# Altium PCB CableNodeRevG.PcbDoc (part 1 of 3) (continued)
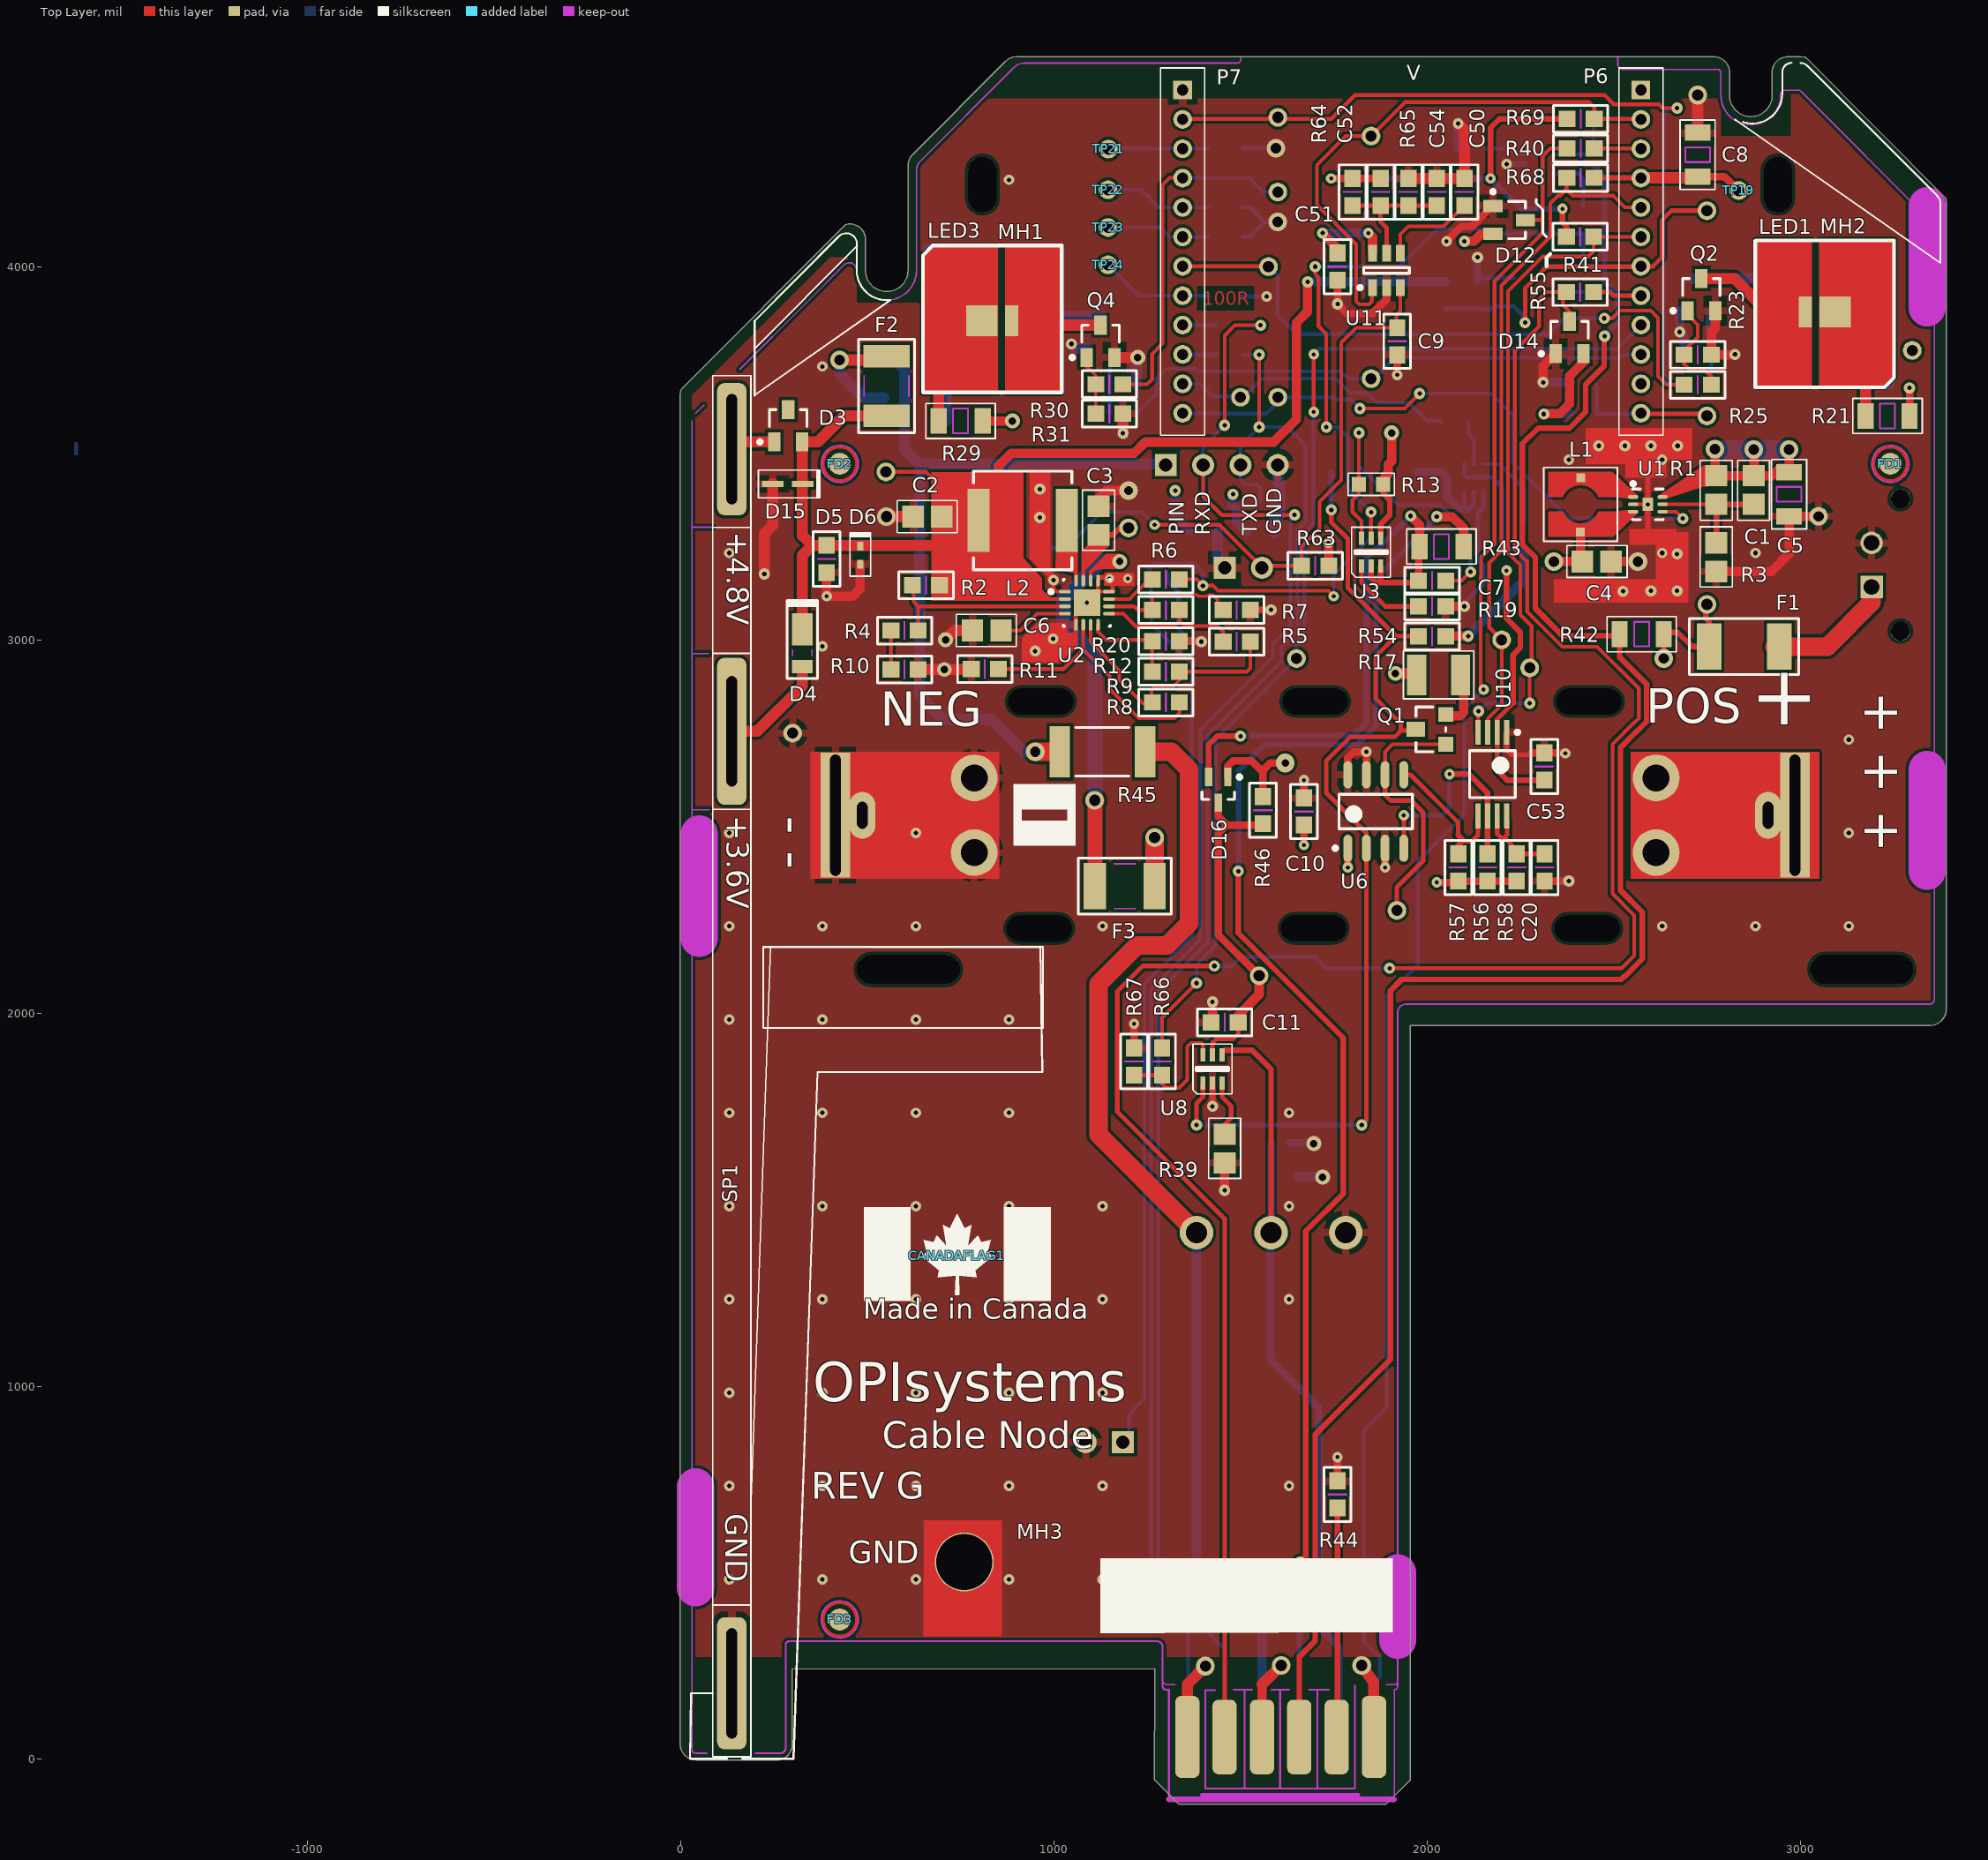
[diagram p0: Top Layer view]
## Part data (continued)
D2 D5 D10: "SUPPRESSOR ESD 24VDC 0603 SMD", Manufacturer="Littelfuse Inc", Package / Case="0603 (1608 Metric)", Power (Watts)=-, Supplier Part Number 1=F3591TR-ND, Voltage - Reverse Standoff (Typ)=24V, Category 1="Circuit Protection", ComponentLink1Description=http://www.littelfuse.com/data/en/Data_Sheets/Littelfuse_PulseGuard-ESD_PGB1.pdf, ComponentLink1URL=http://www.littelfuse.com/data/en/Data_Sheets/Littelfuse_PulseGuard-ESD_PGB1.pdf, Description 1="SUPPRESSOR ESD 24VDC 0603 SMD", Manufacturer Part Number=PGB1010603NR, Mounting Type="Surface Mount", OPI_VID=101020, Packaging="Tape & Reel (TR)", Polarization=Bidirectional, Pricing 1="5000=0.189, 10000=0.176, 25000=0.166 (USD)", RoHS 1="RoHS Compliant", Stock 1=10000, Supplier 1=Digi-Key, Supplier Device Package="0603 (1608 Metric)", Voltage - Breakdown=-
D3 D11 D12 D13 D14: library part BAV99-7-F, "DIODE SW DUAL 75V 350MW SOT23-3", Current - Average Rectified (Io) (per Diode)="300mA (DC)", Current - Reverse Leakage @ Vr="2.5µA @ 75V", Manufacturer="Diodes Inc", Package / Case="TO-236-3, SC-59, SOT-23-3", Supplier Device Package=SOT-23-3, Supplier Part Number 1=BAV99-FDITR-ND, Voltage - DC Reverse (Vr) (Max)=75V, Voltage - Forward (Vf) (Max) @ If="1.25V @ 150mA", Category="Discrete Semiconductor Products", ComponentLink1Description=http://www.diodes.com/datasheets/ds12007.pdf, ComponentLink1URL=http://www.diodes.com/datasheets/ds12007.pdf, Diode Configuration="1 Pair Series Connection", Diode Type=Standard, Manufacturer Part Number=BAV99-7-F, Mounting Type="Surface Mount", OPI_VID=101321, Packaging="Tape & Reel (TR)", Pricing 1="3000=0.02704, 6000=0.02439, 15000=0.02121, 30000=0.01909, 75000=0.01697, 150000=0.0141 (CAD)", Reverse Recovery Time (trr)=4ns, RoHS="RoHS Compliant", Speed="Fast Recovery =< 500ns, > 200mA (Io)", Stock 1=297000, Supplier 1=Digi-Key
D6 D8 D9: "TVS BIDIRECT 50W SOD523", Manufacturer="ON Semiconductor", Package / Case="SC-79, SOD-523", Power (Watts)=50W, Supplier Device Package=SOD-523, Supplier Part Number 1=ESD5B5.0ST1GOSTR-ND, Voltage - Breakdown=5.8V, Voltage - Reverse Standoff (Typ)=5V, Category="Circuit Protection", ComponentLink1Description=http://www.onsemi.com/pub_link/Collateral/ESD5B5.0ST1G.PDF, ComponentLink1URL=http://www.onsemi.com/pub_link/Collateral/ESD5B5.0ST1G.PDF, Manufacturer Part Number=ESD5B5.0ST1G, Mounting Type="Surface Mount", OPI_VID=101019, Packaging="Tape & Reel (TR)", Polarization=Bidirectional, Pricing 1="3000=0.06935, 6000=0.06253, 12000=0.05571, 24000=0.0523, 48000=0.04661, 96000=0.04548 (CAD)", RoHS="RoHS Compliant", Stock 1=240000, Supplier 1=Digi-Key
D15: "DIODE ZENER 5.42V 500MW SOD323F", Current - Reverse Leakage @ Vr="7.5µA @ 2V", Manufacturer="Diodes Inc", Operating Temperature="-65°C ~ 150°C", Package / Case="SC-90, SOD-323F", Power - Max=500mW, Supplier Device Package=SOD-323F, Supplier Part Number 1=DDZ5V6ASF-7DITR-ND, Tolerance=±2%, Voltage - Forward (Vf) (Max) @ If="900mV @ 10mA", Voltage - Zener (Nom) (Vz)=5.42V, Category="Discrete Semiconductor Products", ComponentLink1Description=http://www.diodes.com/datasheets/ds31987.pdf, ComponentLink1URL=http://www.diodes.com/datasheets/ds31987.pdf, Impedance (Max) (Zzt)="80 Ohm", Manufacturer Part Number=DDZ5V6ASF-7, Mounting Type="Surface Mount", OPI_VID=101383, Packaging="Tape & Reel (TR)", Pricing 1="3000=0.02937, 6000=0.02649, 15000=0.02304, 30000=0.02073, 75000=0.01843, 150000=0.01532 (CAD)", RoHS="RoHS Compliant", Stock 1=6000, Supplier 1=Digi-Key
D16: library part SDMG0340LC-7-F, "DIODE SCHOTTKY 40V 30MA SOT323", Current - Average Rectified (Io) (per Diode)="30mA (DC)", Current - Reverse Leakage @ Vr="1µA @ 10V", Manufacturer="Diodes Inc", Package / Case="SC-70, SOT-323", Supplier Device Package=SOT-323, Supplier Part Number 1=SDMG0340LC-FDITR-ND, Voltage - DC Reverse (Vr) (Max)=40V, Voltage - Forward (Vf) (Max) @ If="370mV @ 1mA", Category="Discrete Semiconductor Products", ComponentLink1Description=http://www.diodes.com/datasheets/ds30248.pdf, ComponentLink1URL=http://www.diodes.com/datasheets/ds30248.pdf, Diode Configuration="1 Pair Common Cathode", Diode Type=Schottky, Manufacturer Part Number=SDMG0340LC-7-F, Mounting Type="Surface Mount", OPI_VID=101482, Packaging="Tape & Reel (TR)", Pricing 1="3000=0.08059, 6000=0.07254, 15000=0.06447, 30000=0.06045, 75000=0.05359, 150000=0.05037 (CAD)", Reverse Recovery Time (trr)=-, RoHS="RoHS Compliant", Speed="Small Signal =< 200mA (Io), Any Speed", Stock 1=18000, Supplier 1=Digi-Key
F1: "POLYSWITCH 2.6A RESET FUSE SMD", Current - Hold (Ih) (Max)=2.6A, Current - Max=100A, Current - Trip (It)=5A, Manufacturer="TE Connectivity", Package / Case="1812 (4532 Metric), Concave", Supplier Part Number 1=MINISMDC260FTR-ND, Voltage - Max=6V, Category="Circuit Protection", ComponentLink1Description=http://www.te.com/commerce/DocumentDelivery/DDEController?Action=showdoc&DocId=Catalog+Section%7FSURFACE-MOUNT%7FA1%7Fpdf%7FEnglish%7FENG_CS_SURFACE-MOUNT_A1.pdf, ComponentLink1URL=http://www.te.com/commerce/DocumentDelivery/DDEController?Action=showdoc&DocId=Catalog+Section%7FSURFACE-MOUNT%7FA1%7Fpdf%7FEnglish%7FENG_CS_SURFACE-MOUNT_A1.pdf, Manufacturer Part Number=MINISMDC260F-2, OPI_VID=101385, Packaging="Tape & Reel (TR)", Pricing 1="2000=0.2349, 6000=0.21802, 10000=0.18285, 26000=0.17582, 50000=0.16879 (CAD)", R Min/Max="0.015 ~ 0.043 Ohm", RoHS="RoHS Compliant", Stock 1=6000, Supplier 1=Digi-Key, Time to Trip=7s
F2 F3: "POLYSWITCH .50A RESET FUSE SMD", Current - Hold (Ih) (Max)=500mA, Current - Max=100A, Current - Trip (It)=1A, Manufacturer="TE Connectivity", Package / Case="1812 (4532 Metric), Concave", Supplier Part Number 1=MINISMDC050FTR-ND, Voltage - Max=24V, Category="Circuit Protection", ComponentLink1Description=http://documents.tycoelectronics.com/commerce/DocumentDelivery/DDEController?Action=showdoc&DocId=Specification+Or+Standard%7FSCD25063%7FH%7Fpdf%7FEnglish%7FENG_SS_SCD25063_H.pdf, ComponentLink1URL=http://documents.tycoelectronics.com/commerce/DocumentDelivery/DDEController?Action=showdoc&DocId=Specification+Or+Standard%7FSCD25063%7FH%7Fpdf%7FEnglish%7FENG_SS_SCD25063_H.pdf, Manufacturer Part Number=MINISMDC050F-2, OPI_VID=101164, Packaging="Tape & Reel (TR)", Pricing 1="2000=0.19128, 6000=0.17753, 10000=0.1489, 26000=0.14317, 50000=0.13745 (CAD)", R Min/Max="0.150 ~ 1.000 Ohm", RoHS="RoHS Compliant", Stock 1=166000, Supplier 1=Digi-Key, Time to Trip=0.15s
FD1 FD2 FD3: library part Fiducial, "Fiducial Round"
J1: library part 436500216, "CONN HEADER 2POS 3MM VERT GOLD", Color=Black, Manufacturer="Molex Inc", Supplier Part Number 1=WM1917-ND, Category="Connectors, Interconnects", ComponentLink1Description=http://www.molex.com/pdm_docs/sd/436500215_sd.pdf, ComponentLink1URL=http://www.molex.com/pdm_docs/sd/436500215_sd.pdf, Connector Type="Header, Shrouded", Contact Finish=Tin, Contact Finish Thickness="100µin (2.54µm)", Contact Mating Length=-, Contact Type="Male Pin", Fastening Type="Locking Ramp", Features="Board Guide", Manufacturer Part Number=436500216, Mounting Type="Through Hole", Number of Positions=2, Number of Positions Loaded=All, Number of Rows=1, OPI_VID=101531, Packaging=Tray, Pitch="0.118\" (3.00mm)", Pricing 1="1=0.82, 10=0.766, 50=0.612, 100=0.5866, 250=0.53552, 500=0.51002, 1000=0.42077, 2500=0.38251, 5000=0.36976 (CAD)", RoHS="RoHS Compliant", Row Spacing=-, Stock 1=29740, Supplier 1=Digi-Key, Termination=Press-Fit
L1: library part 744031003, "INDUCTOR POWER 3.6UH 1.38A SMD", Current=1.38A, Current - Saturation=1.1A, Current - Temperature Rise=-, DC Resistance (DCR)="85 mOhm Max", Frequency - Self Resonant=80MHz, Frequency - Test=100kHz, Manufacturer="Wurth Electronics Inc", Operating Temperature="-40°C ~ 125°C", Package / Case="1515 (3838 Metric)", Supplier Part Number 1=732-1007-2-ND, Tolerance=±30%, Category="Inductors, Coils, Chokes", ComponentLink1Description=http://katalog.we-online.de/kataloge/eisos/media/pdf/744031003.pdf, ComponentLink1URL=http://katalog.we-online.de/kataloge/eisos/media/pdf/744031003.pdf, Inductance=3.6µH, Manufacturer Part Number=744031003, Material - Core=Ferrite, Mounting Type="Surface Mount", OPI_VID=101322, Packaging="Tape & Reel (TR)", Pricing 1="1000=0.76734 (CAD)", Q @ Freq=-, RoHS="RoHS Compliant", Shielding=Shielded, Stock 1=0, Supplier 1=Digi-Key, Type="Ferrite Core"
L2: library part SRR0604-220ML, "INDUCTOR PWR 22UH 20% SHIELD SMD", Current=900mA, Current - Saturation=1.2A, Current - Temperature Rise=-, DC Resistance (DCR)="190 mOhm", Frequency - Self Resonant=25MHz, Frequency - Test=1kHz, Manufacturer="Bourns Inc.", Operating Temperature="-40°C ~ 125°C", Package / Case="0.256\" L x 0.256\" W x 0.189\" H (6.50mm x 6.50mm x 4.80mm)", Q @ Freq="16 @ 2.52MHz", Supplier Part Number 1=SRR0604-220MLTR-ND, Tolerance=±20%, Category="Inductors, Coils, Chokes", ComponentLink1Description=http://www.bourns.com/data/global/pdfs/SRR0604.pdf, ComponentLink1URL=http://www.bourns.com/data/global/pdfs/SRR0604.pdf, Inductance=22µH, Manufacturer Part Number=SRR0604-220ML, Material - Core=Ferrite, Mounting Type="Surface Mount", OPI_VID=101323, Packaging="Tape & Reel (TR)", Pricing 1="1000=0.37682, 5000=0.36426, 10000=0.3517, 25000=0.33914 (CAD)", RoHS="RoHS Compliant", Shielding=Shielded, Stock 1=0, Supplier 1=Digi-Key, Type="Ferrite Core"
LED1 LED4: "LED", Manufacturer=OSRAM, Manufacturer Part Number="GH JTLPS1.24-K5L2-1-1-150-R33", Supplier Part Number 1=720-GHJTLPS124A1048, Height=0.8mm, Supplier 1=Mouser
LED2 LED3: "LED", Manufacturer=OSRAM, Manufacturer Part Number=GDJTLPS1.14-MFN8-25-1-150-R33, Supplier Part Number 1=720-GDJTLPS114A1051, Height=0.8mm, Supplier 1=Mouser
MH1 MH2 MH3: "PCB Mounting Hole, 0.150\" hole, 0.270\" Keepout"
P1: library part M20-9960245, "SIL HORIZ PC TAIL PIN HEADER", Color=Black, Manufacturer="Harwin Inc", Supplier Part Number 1=952-2244-ND, Category="Connectors, Interconnects", ComponentLink1Description=http://www.harwin.com/include/downloads/drawings/M20-996.PDF, ComponentLink1URL=http://www.harwin.com/include/downloads/drawings/M20-996.PDF, Connector Type="Header, Unshrouded, Breakaway", Contact Finish=Gold, Contact Finish Thickness=-, Contact Mating Length="0.240\" (6.10mm)", Contact Type="Male Pin", Fastening Type=-, Features=-, Manufacturer Part Number=M20-9960245, Mounting Type="Through Hole, Right Angle", Number of Positions=2, Number of Positions Loaded=All, Number of Rows=1, OPI_VID=101483, Packaging=Bulk, Pitch="0.100\" (2.54mm)", Pricing 1="1=0.31, 10=0.18, 25=0.1288, 50=0.0978, 100=0.0798, 250=0.06692, 500=0.06178, 1000=0.05406, 2500=0.04119 (CAD)", RoHS="RoHS Compliant", Row Spacing=-, Stock 1=1174, Supplier 1=Digi-Key, Termination=Solder
P2: library part "Header 4", "Header, 4-Pin", Manufacturer=3M, Manufacturer Part Number=2340-6111TG, LatestRevisionDate=17-Jul-2002, LatestRevisionNote="Re-released for DXP Platform.", OPI_VID=100210, Publisher="Altium Limited"
P3: library part "Header 2", "Header, 2-Pin", Manufacturer=3M, Manufacturer Part Number=2340-6111TG, LatestRevisionDate=17-Jul-2002, LatestRevisionNote="Re-released for DXP Platform.", OPI_VID=100210, Publisher="Altium Limited"
P4: "CONN EDGECARD 6POS .100 FINGERS", Contact Finish=Gold, Contact Finish Thickness="30µin (0.76µm)", Gender=Male, Number of Positions=12, Number of Rows=2, Pitch="0.100\" (2.54mm)"
P5: "CONN HEADER RT ANG 3POS 5.08MM", Color=Green, Current=10A, Manufacturer="Phoenix Contact", Supplier Part Number 1=277-1096-ND, Voltage=300V, Category="Connectors, Interconnects", ComponentLink1Description=http://media.digikey.com/pdf/Data%20Sheets/Phoenix%20Contact%20PDFs/1759020.pdf, ComponentLink1URL=http://media.digikey.com/pdf/Data%20Sheets/Phoenix%20Contact%20PDFs/1759020.pdf, Features=-, Header Orientation="90°, Right Angle", Manufacturer Part Number=1759020, Mounting Type="Through Hole", Number of Levels=1, OPI_VID=101377, Packaging=Bulk, Pitch="0.200\" (5.08mm)", Plug Wire Entry=-, Positions Per Level=3, Pricing 1="1=0.85, 10=0.826, 50=0.7716, 100=0.7098, 250=0.65576, 500=0.62494, 1000=0.58636 (CAD)", RoHS="RoHS Compliant", Stock 1=4474, Supplier 1=Digi-Key, Terminal Block Type="Header, Male Pins, Shrouded (2 Side)", Termination=Solder, Wire Gauge=-
P6 P7: "CONN SOCKET 12POS 2MM VERT T/H", Color=Black, Manufacturer=3M, Manufacturer Part Number=950512-6102-AR, Supplier Part Number 1=3M9406-ND, Category 1="Connectors, Interconnects", ComponentLink1Description=http://multimedia.3m.com/mws/mediawebserver?66666UuZjcFSLXTtmXMEm8TaEVuQEcuZgVs6EVs6E666666--, ComponentLink1URL=http://multimedia.3m.com/mws/mediawebserver?66666UuZjcFSLXTtmXMEm8TaEVuQEcuZgVs6EVs6E666666--, Connector Type=Receptacle, Contact Finish=Gold, Contact Finish Thickness=Flash, Contact Type="Female Socket", Description 1="CONN SOCKET 12POS 2MM VERT T/H", Fastening Type=-, Features=-, Mounting Type="Through Hole", Number of Positions=12, Number of Positions Loaded=All, Number of Rows=1, OPI_VID=101515, Packaging=Tube, Pitch="0.079\" (2.00mm)", Pricing 1="1=2.31, 25=1.9756, 50=1.8896, 100=1.8037, 250=1.63196, 500=1.50312, 1000=1.28839, 2500=1.2025, 5000=1.14237 (CAD)", RoHS 1="RoHS Compliant", Row Spacing=-, Stock 1=2590, Supplier 1=Digi-Key, Termination=Solder
Q1: library part SI2301BDS-T1-E3, "MOSFET P-CH 20V 2.2A SOT23-3", Current - Continuous Drain (Id) @ 25° C=2.2A, Drain to Source Voltage (Vdss)=20V, Input Capacitance (Ciss) @ Vds="375pF @ 6V", Manufacturer=Vishay/Siliconix, Package / Case="TO-236-3, SC-59, SOT-23-3", Power - Max=700mW, Supplier Device Package="SOT-23-3 (TO-236)", Supplier Part Number 1=SI2301BDS-T1-E3TR-ND, Category="Discrete Semiconductor Products", ComponentLink1Description=http://www.vishay.com/doc?72066, ComponentLink1URL=http://www.vishay.com/doc?72066, FET Feature="Logic Level Gate", FET Type="MOSFET P-Channel, Metal Oxide", Gate Charge (Qg) @ Vgs="10nC @ 4.5V", Manufacturer Part Number=SI2301BDS-T1-E3, Mounting Type="Surface Mount", OPI_VID=100638, Packaging="Tape & Reel (TR)", Pricing 1="3000=0.18924, 6000=0.17754, 12000=0.16479, 27000=0.15628, 51000=0.15309 (CAD)", Rds On (Max) @ Id, Vgs="100 mOhm @ 2.8A, 4.5V", RoHS="RoHS Compliant", Stock 1=27000, Supplier 1=Digi-Key, Vgs(th) (Max) @ Id="950mV @ 250µA"
Q2 Q3 Q4 Q5: library part SI2302CDS-T1-GE3, "MOSFET N-CH 20V 2.6A SOT23-3", Current - Continuous Drain (Id) @ 25° C=2.6A, Drain to Source Voltage (Vdss)=20V, Input Capacitance (Ciss) @ Vds=-, Manufacturer="Vishay Siliconix", Package / Case="TO-236-3, SC-59, SOT-23-3", Power - Max=710mW, Supplier Device Package="SOT-23-3 (TO-236)", Supplier Part Number 1=SI2302CDS-T1-GE3TR-ND, Category="Discrete Semiconductor Products", ComponentLink1Description=http://www.vishay.com/docs/68645/si2302cd.pdf, ComponentLink1URL=http://www.vishay.com/docs/68645/si2302cd.pdf, FET Feature="Logic Level Gate", FET Type="MOSFET N-Channel, Metal Oxide", Gate Charge (Qg) @ Vgs="5.5nC @ 4.5V", Manufacturer Part Number=SI2302CDS-T1-GE3, Mounting Type="Surface Mount", OPI_VID=101327, Packaging="Tape & Reel (TR)", Pricing 1="3000=0.18079, 6000=0.16912, 15000=0.15746, 30000=0.14871, 75000=0.1458, 150000=0.13996 (CAD)", Rds On (Max) @ Id, Vgs="57 mOhm @ 3.6A, 4.5V", RoHS="RoHS Compliant", Stock 1=27000, Supplier 1=Digi-Key, Vgs(th) (Max) @ Id="850mV @ 250µA"
Q6: "IC SWITCH P-CHANNEL SOT-23", Current - Drain (Idss) @ Vds (Vgs="0)=2mA @ 15V", Current Drain (Id) - Max=-, Manufacturer="Fairchild Semiconductor", Package / Case="TO-236-3, SC-59, SOT-23-3", Power - Max=225mW, Supplier Device Package="SOT-23-3 (TO-236)", Supplier Part Number 1=MMBFJ270TR-ND, Voltage - Breakdown (V(BR)GSS)=30V, Voltage - Cutoff (VGS off) @ Id="500mV @ 1nA", Category="Discrete Semiconductor Products", ComponentLink1Description=http://www.fairchildsemi.com/ds/MM/MMBFJ270.pdf, ComponentLink1URL=http://www.fairchildsemi.com/ds/MM/MMBFJ270.pdf, Drain to Source Voltage (Vdss)=-, FET Type=P-Channel, Input Capacitance (Ciss) @ Vds=-, Manufacturer Part Number=MMBFJ270, Mounting Type="Surface Mount", OPI_VID=101484, Packaging="Tape & Reel (TR)", Pricing 1="3000=0.14055, 6000=0.13203, 15000=0.12352, 30000=0.11329, 75000=0.10903, 150000=0.10477 (CAD)", Resistance - RDS(On)=-, RoHS="RoHS Compliant", Stock 1=15000, Supplier 1=Digi-Key
R1: library part CRCW08053M24FKEA, "RES 3.24M OHM 1/8W 1% 0805 SMD", Manufacturer="Vishay Dale", Package / Case="0805 (2012 Metric)", Power (Watts)="0.125W, 1/8W", Supplier Part Number 1=541-3.24MCTR-ND, Temperature Coefficient=±100ppm/°C, Tolerance=±1%, Category=Resistors, ComponentLink1Description=http://www.vishay.com/doc?20035, ComponentLink1URL=http://www.vishay.com/doc?20035, Composition="Thick Film", Features=-, Height="0.020\" (0.50mm)", Manufacturer Part Number=CRCW08053M24FKEA, Number of Terminations=2, OPI_VID=101328, Packaging="Tape & Reel (TR)", Pricing 1="5000=0.00914, 10000=0.00799, 25000=0.00685, 50000=0.00571, 100000=0.00457, 250000=0.00457, 500000=0.00343 (CAD)", Resistance (Ohms)=3.24M, RoHS="RoHS Compliant", Size / Dimension="0.079\" L x 0.049\" W (2.00mm x 1.25mm)", Stock 1=5000, Supplier 1=Digi-Key
R2 R6 R9: library part CRCW06033M83FKEA, "RES 3.83M OHM 1/10W 1% 0603 SMD", Manufacturer="Vishay Dale", Package / Case="0603 (1608 Metric)", Power (Watts)="0.1W, 1/10W", Supplier Part Number 1=541-3.83MHTR-ND, Temperature Coefficient=±100ppm/°C, Tolerance=±1%, Category=Resistors, ComponentLink1Description=http://www.vishay.com/doc?20035, ComponentLink1URL=http://www.vishay.com/doc?20035, Composition="Thick Film", Features="Automotive AEC-Q200 Qualified", Height="0.020\" (0.50mm)", Manufacturer Part Number=CRCW06033M83FKEA, Number of Terminations=2, OPI_VID=101329, Packaging="Tape & Reel (TR)", Pricing 1="5000=0.00644, 10000=0.00579, 25000=0.00515, 50000=0.00429, 100000=0.00356, 250000=0.00322, 500000=0.0029 (CAD)", Resistance (Ohms)=3.83M, RoHS="RoHS Compliant", Size / Dimension="0.061\" L x 0.033\" W (1.55mm x 0.85mm)", Stock 1=10000, Supplier 1=Digi-Key
R3: library part CRCW08051M02FKEA, "RES 1.02M OHM 1/8W 1% 0805 SMD", Manufacturer="Vishay Dale", Package / Case="0805 (2012 Metric)", Power (Watts)="0.125W, 1/8W", Supplier Part Number 1=541-1.02MCTR-ND, Temperature Coefficient=±100ppm/°C, Tolerance=±1%, Category=Resistors, ComponentLink1Description=http://www.vishay.com/doc?20035, ComponentLink1URL=http://www.vishay.com/doc?20035, Composition="Thick Film", Features=-, Height="0.020\" (0.50mm)", Manufacturer Part Number=CRCW08051M02FKEA, Number of Terminations=2, OPI_VID=101330, Packaging="Tape & Reel (TR)", Pricing 1="5000=0.00914, 10000=0.00799, 25000=0.00685, 50000=0.00571, 100000=0.00457, 250000=0.00457, 500000=0.00343 (CAD)", Resistance (Ohms)=1.02M, RoHS="RoHS Compliant", Size / Dimension="0.079\" L x 0.049\" W (2.00mm x 1.25mm)", Stock 1=20000, Supplier 1=Digi-Key
R4 R10: library part CRCW06037M50FKEA, "RES 7.50M OHM 1/10W 1% 0603 SMD", Manufacturer="Vishay Dale", Package / Case="0603 (1608 Metric)", Power (Watts)="0.1W, 1/10W", Supplier Part Number 1=541-7.50MHTR-ND, Temperature Coefficient=±100ppm/°C, Tolerance=±1%, Category=Resistors, ComponentLink1Description=http://www.vishay.com/doc?20035, ComponentLink1URL=http://www.vishay.com/doc?20035, Composition="Thick Film", Features="Automotive AEC-Q200 Qualified", Height="0.020\" (0.50mm)", Manufacturer Part Number=CRCW06037M50FKEA, Number of Terminations=2, OPI_VID=101331, Packaging="Tape & Reel (TR)", Pricing 1="5000=0.00644, 10000=0.00579, 25000=0.00515, 50000=0.00429, 100000=0.00356, 250000=0.00322, 500000=0.0029 (CAD)", Resistance (Ohms)=7.5M, RoHS="RoHS Compliant", Size / Dimension="0.061\" L x 0.033\" W (1.55mm x 0.85mm)", Stock 1=10000, Supplier 1=Digi-Key
R5: library part CRCW06032M00FKEA, "RES 2.00M OHM 1/10W 1% 0603 SMD", Manufacturer="Vishay Dale", Package / Case="0603 (1608 Metric)", Power (Watts)="0.1W, 1/10W", Resistance (Ohms)=2M, Supplier Part Number 1=541-2.00MHCT-ND, Temperature Coefficient=±100ppm/°C, Tolerance=±1%, Category=Resistors, ComponentLink1Description=http://www.vishay.com/doc?20035, ComponentLink1URL=http://www.vishay.com/doc?20035, Composition="Thick Film", Features="Automotive AEC-Q200 Qualified", Height="0.020\" (0.50mm)", Manufacturer Part Number=CRCW06032M00FKEA, Number of Terminations=2, OPI_VID=101448, Packaging="Cut Tape (CT)", Pricing 1="10=0.096, 50=0.0516, 200=0.02965, 1000=0.02023 (CAD)", RoHS="RoHS Compliant", Size / Dimension="0.061\" L x 0.033\" W (1.55mm x 0.85mm)", Stock 1=12600, Supplier 1=Digi-Key, Supplier Device Package="0603 (1608 Metric)"
R7: library part CRCW06034M22FKEA, "RES 4.22M OHM 1/10W 1% 0603 SMD", Manufacturer="Vishay Dale", Package / Case="0603 (1608 Metric)", Power (Watts)="0.1W, 1/10W", Resistance (Ohms)=4.22M, Supplier Part Number 1=541-4.22MHTR-ND, Temperature Coefficient=±100ppm/°C, Tolerance=±1%, Category=Resistors, ComponentLink1Description=http://www.vishay.com/doc?20035, ComponentLink1URL=http://www.vishay.com/doc?20035, Composition="Thick Film", Features="Automotive AEC-Q200 Qualified", Height="0.020\" (0.50mm)", Manufacturer Part Number=CRCW06034M22FKEA, Number of Terminations=2, OPI_VID=101450, Packaging="Tape & Reel (TR)", Pricing 1="5000=0.00674, 10000=0.00607, 25000=0.00539, 50000=0.00449, 100000=0.00373, 250000=0.00337, 500000=0.00303 (CAD)", RoHS="RoHS Compliant", Size / Dimension="0.061\" L x 0.033\" W (1.55mm x 0.85mm)", Stock 1=10000, Supplier 1=Digi-Key, Supplier Device Package="0603 (1608 Metric)"
R8: library part CRCW06034M75FKEA, "RES 4.75M OHM 1/10W 1% 0603 SMD", Manufacturer="Vishay Dale", Package / Case="0603 (1609 Metric)", Power (Watts)="0.1W, 1/10W", Supplier Part Number 1=541-4.75MHTR-ND, Temperature Coefficient=±100ppm/°C, Tolerance=±1%, Category=Resistors, ComponentLink1Description=http://www.vishay.com/doc?20035, ComponentLink1URL=http://www.vishay.com/doc?20035, Composition="Thick Film", Features="Automotive AEC-Q200 Qualified", Height="0.020\" (0.50mm)", Manufacturer Part Number=CRCW06034M75FKEA, Number of Terminations=2, OPI_VID=101333, Packaging="Tape & Reel (TR)", Pricing 1="5000=0.00644, 10000=0.00579, 25000=0.00515, 50000=0.00429, 100000=0.00356, 250000=0.00322, 500000=0.0029 (CAD)", Resistance (Ohms)=4.75M, RoHS="RoHS Compliant", Size / Dimension="0.061\" L x 0.033\" W (1.55mm x 0.85mm)", Stock 1=30000, Supplier 1=Digi-Key
R11: library part CRCW06034M99FKEA, "RES 4.99M OHM 1/10W 1% 0603 SMD", Manufacturer="Vishay Dale", Package / Case="0603 (1608 Metric)", Power (Watts)="0.1W, 1/10W", Resistance (Ohms)=4.99M, Supplier Part Number 1=541-4.99MHTR-ND, Temperature Coefficient=±100ppm/°C, Tolerance=±1%, Category=Resistors, ComponentLink1Description=http://www.vishay.com/doc?20035, ComponentLink1URL=http://www.vishay.com/doc?20035, Composition="Thick Film", Features="Automotive AEC-Q200 Qualified", Height="0.020\" (0.50mm)", Manufacturer Part Number=CRCW06034M99FKEA, Number of Terminations=2, OPI_VID=101381, Packaging="Tape & Reel (TR)", Pricing 1="5000=0.00652, 10000=0.00587, 25000=0.00521, 50000=0.00434, 100000=0.00361, 250000=0.00326, 500000=0.00293 (CAD)", RoHS="RoHS Compliant", Size / Dimension="0.061\" L x 0.033\" W (1.55mm x 0.85mm)", Stock 1=20000, Supplier 1=Digi-Key, Supplier Device Package="0603 (1608 Metric)"
R12: library part "CRCW06035M36FKEA (2)", "RES 5.36M OHM 1/10W 1% 0603 SMD", Manufacturer="Vishay Dale", Manufacturer Part Number=CRCW06035M36FKEA, Package / Case="0603 (1609 Metric)", Power (Watts)="0.1W, 1/10W", Supplier Part Number 1=541-5.36MHTR-ND, Temperature Coefficient=±100ppm/°C, Tolerance=±1%, Category=Resistors, ComponentLink1Description=http://www.vishay.com/doc?20035, ComponentLink1URL=http://www.vishay.com/doc?20035, Composition="Thick Film", Features="Automotive AEC-Q200 Qualified", Height="0.020\" (0.50mm)", Number of Terminations=2, OPI_VID=101334, Packaging="Tape & Reel (TR)", Pricing 1="5000=0.00644, 10000=0.00579, 25000=0.00515, 50000=0.00429, 100000=0.00356, 250000=0.00322, 500000=0.0029 (CAD)", Resistance (Ohms)=5.36M, RoHS="RoHS Compliant", Size / Dimension="0.061\" L x 0.033\" W (1.55mm x 0.85mm)", Stock 1=5000, Supplier 1=Digi-Key
R13: library part ERJ-3GEYJ105V, "RES 1.0M OHM 1/10W 5% 0603 SMD", Manufacturer="Panasonic - ECG", Package / Case="0603 (1608 Metric)", Power (Watts)="0.1W, 1/10W", Resistance (Ohms)=1M, Supplier Part Number 1=P1.0MGDKR-ND, Temperature Coefficient=±200ppm/°C, Tolerance=±5%, Category 1=Resistors, ComponentLink1Description=http://industrial.panasonic.com/www-cgi/jvcr13pz.cgi?E+PZ+3+AOA0001+ERJ3GEYJ105V+7+WW, ComponentLink1URL=http://industrial.panasonic.com/www-cgi/jvcr13pz.cgi?E+PZ+3+AOA0001+ERJ3GEYJ105V+7+WW, Composition="Thick Film", Description 1="RES 1.0M OHM 1/10W 5% 0603 SMD", Features=-, Height="0.018\" (0.45mm)", Manufacturer Part Number=ERJ-3GEYJ105V, Number of Terminations=2, OPI_VID=101039, Packaging=Digi-Reel®, Pricing 1="1=0.03, 50=0.0104, 100=0.0079, 250=0.00584, 500=0.00432, 1000=0.00288 (USD)", RoHS 1="RoHS Compliant", Size / Dimension="0.063\" L x 0.031\" W (1.60mm x 0.80mm)", Stock 1=2202551, Supplier 1=Digi-Key
R15: library part ERJ-3EKF27R0V, "RES 27.0 OHM 1/10W 1% 0603 SMD", Manufacturer="Panasonic Electronic Components", Package / Case="0603 (1608 Metric)", Power (Watts)="0.1W, 1/10W", Resistance (Ohms)=27, Supplier Part Number 1=P27.0HTR-ND, Temperature Coefficient=±100ppm/°C, Tolerance=±1%, Category=Resistors, ComponentLink1Description=http://industrial.panasonic.com/www-cgi/jvcr13pz.cgi?E+PZ+3+AOA0002+ERJ3EKF27R0V+7+WW, ComponentLink1URL=http://industrial.panasonic.com/www-cgi/jvcr13pz.cgi?E+PZ+3+AOA0002+ERJ3EKF27R0V+7+WW, Composition="Thick Film", Features=-, Height="0.022\" (0.55mm)", Manufacturer Part Number=ERJ-3EKF27R0V, Number of Terminations=2, OPI_VID=101337, Packaging="Tape & Reel (TR)", Pricing 1="5000=0.0026, 10000=0.00226, 25000=0.00199, 50000=0.00182, 125000=0.00179 (CAD)", RoHS="RoHS Compliant", Size / Dimension="0.063\" L x 0.031\" W (1.60mm x 0.80mm)", Stock 1=230000, Supplier 1=Digi-Key
R16 R20 R23 R24 R31 R34 R44 R50 R51 R52 R53 R63 R69: library part ERJ-3GEYJ103V, "RES 10K OHM 1/10W 5% 0603 SMD", Manufacturer="Panasonic Electronic Components", Package / Case="0603 (1608 Metric)", Power (Watts)="0.1W, 1/10W", Resistance (Ohms)=10k, Supplier Part Number 1=P10KGTR-ND, Temperature Coefficient=±200ppm/°C, Tolerance=±5%, Category=Resistors, ComponentLink1Description=http://industrial.panasonic.com/www-cgi/jvcr13pz.cgi?E+PZ+3+AOA0001+ERJ3GEYJ103V+7+WW, ComponentLink1URL=http://industrial.panasonic.com/www-cgi/jvcr13pz.cgi?E+PZ+3+AOA0001+ERJ3GEYJ103V+7+WW, Composition="Thick Film", Features=-, Height="0.022\" (0.55mm)", Manufacturer Part Number=ERJ-3GEYJ103V, Number of Terminations=2, OPI_VID=101044, Packaging="Tape & Reel (TR)", Pricing 1="5000=0.00174, 10000=0.00151, 25000=0.00132, 50000=0.00122, 125000=0.00119 (CAD)", RoHS="RoHS Compliant", Size / Dimension="0.063\" L x 0.031\" W (1.60mm x 0.80mm)", Stock 1=13440000, Supplier 1=Digi-Key
R17: library part ERJ-14NF51R1U, "RES 51.1 OHM 1/2W 1% 1210 SMD", Manufacturer="Panasonic Electronic Components", Package / Case="1210 (3225 Metric)", Power (Watts)="0.5W, 1/2W", Resistance (Ohms)=51.1, Supplier Device Package=1210, Supplier Part Number 1=P51.1AATR-ND, Temperature Coefficient=±100ppm/°C, Tolerance=±1%, Category=Resistors, ComponentLink1Description=http://industrial.panasonic.com/www-cgi/jvcr13pz.cgi?E+PZ+3+AOA0002+ERJ14NF51R1U+7+WW, ComponentLink1URL=http://industrial.panasonic.com/www-cgi/jvcr13pz.cgi?E+PZ+3+AOA0002+ERJ14NF51R1U+7+WW, Composition="Thick Film", Features=-, Height="0.028\" (0.70mm)", Manufacturer Part Number=ERJ-14NF51R1U, Number of Terminations=2, OPI_VID=101382, Packaging="Tape & Reel (TR)", Pricing 1="5000=0.03979, 10000=0.03714, 25000=0.03528, 50000=0.03456, 125000=0.03382 (CAD)", RoHS="RoHS Compliant", Size / Dimension="0.126\" L x 0.098\" W (3.20mm x 2.50mm)", Stock 1=20000, Supplier 1=Digi-Key
R18: library part RMCF2512JT24R0, "RES 24 OHM 1W 5% 2512 SMD", Manufacturer="TTI Inc.", Manufacturer Part Number=CRCW251224R0JNEG, Package / Case="2512 (6432 Metric)", Power (Watts)=1W, Resistance (Ohms)=24, Supplier Device Package=2512, Supplier Part Number 1=RMCF2512JT24R0TR-ND, Temperature Coefficient=±200ppm/°C, Tolerance=±5%, Category=Resistors, ComponentLink1Description=http://www.seielect.com/Catalog/SEI-RMCF_RMCP.pdf, ComponentLink1URL=http://www.seielect.com/Catalog/SEI-RMCF_RMCP.pdf, Composition="Thick Film", Features=-, Height="0.028\" (0.70mm)", Number of Terminations=2, OPI_VID=101380, Packaging="Tape & Reel (TR)", Pricing 1="4000=0.03773, 8000=0.0343, 12000=0.03201, 28000=0.03041, 100000=0.02916 (CAD)", RoHS="RoHS Compliant", Size / Dimension="0.248\" L x 0.126\" W (6.30mm x 3.20mm)", Stock 1=20000, Supplier 1=Digi-Key
R19 R67: library part ERJ-3GEYJ104V, "RES 100K OHM 1/10W 5% 0603 SMD", Manufacturer="Panasonic Electronic Components", Package / Case="0603 (1608 Metric)", Power (Watts)="0.1W, 1/10W", Resistance (Ohms)=100k, Supplier Part Number 1=P100KGTR-ND, Temperature Coefficient=±200ppm/°C, Tolerance=±5%, Category=Resistors, ComponentLink1Description=http://industrial.panasonic.com/www-cgi/jvcr13pz.cgi?E+PZ+3+AOA0001+ERJ3GEYJ104V+7+WW, ComponentLink1URL=http://industrial.panasonic.com/www-cgi/jvcr13pz.cgi?E+PZ+3+AOA0001+ERJ3GEYJ104V+7+WW, Composition="Thick Film", Features=-, Height="0.022\" (0.55mm)", Manufacturer Part Number=ERJ-3GEYJ104V, Number of Terminations=2, OPI_VID=101335, Packaging="Tape & Reel (TR)", Pricing 1="5000=0.00172, 10000=0.00149, 25000=0.00131, 50000=0.0012, 125000=0.00118 (CAD)", RoHS="RoHS Compliant", Size / Dimension="0.063\" L x 0.031\" W (1.60mm x 0.80mm)", Stock 1=3755000, Supplier 1=Digi-Key
R21 R32: library part RC1206FR-0722RL, "RES 22.0 OHM 1/4W 1% 1206 SMD", Manufacturer=Yageo, Package / Case="1206 (3216 Metric)", Power (Watts)="0.25W, 1/4W", Resistance (Ohms)=22, Supplier Part Number 1=311-22.0FRTR-ND, Temperature Coefficient=±100ppm/°C, Tolerance=±1%, Category=Resistors, ComponentLink1Description=http://www.yageo.com/documents/recent/PYu-RC1206_51_RoHS_L_4.pdf, ComponentLink1URL=http://www.yageo.com/documents/recent/PYu-RC1206_51_RoHS_L_4.pdf, Composition="Thick Film", Features=-, Height="0.026\" (0.65mm)", Manufacturer Part Number=RC1206FR-0722RL, Number of Terminations=2, OPI_VID=101340, Packaging="Tape & Reel (TR)", Pricing 1="5000=0.00427, 10000=0.00371, 25000=0.00326, 50000=0.00299, 125000=0.00293 (CAD)", RoHS="RoHS Compliant", Size / Dimension="0.122\" L x 0.063\" W (3.10mm x 1.60mm)", Stock 1=45000, Supplier 1=Digi-Key
R22 R29 R42 R43: library part RC1206FR-0712RL, "RES 12.0 OHM 1/4W 1% 1206 SMD", Manufacturer=Yageo, Package / Case="1206 (3216 Metric)", Power (Watts)="0.25W, 1/4W", Resistance (Ohms)=12, Supplier Part Number 1=311-12.0FRTR-ND, Temperature Coefficient=±100ppm/°C, Tolerance=±1%, Category=Resistors, ComponentLink1Description=http://www.yageo.com/documents/recent/PYu-RC1206_51_RoHS_L_4.pdf, ComponentLink1URL=http://www.yageo.com/documents/recent/PYu-RC1206_51_RoHS_L_4.pdf, Composition="Thick Film", Features=-, Height="0.026\" (0.65mm)", Manufacturer Part Number=RC1206FR-0712RL, Number of Terminations=2, OPI_VID=101341, Packaging="Tape & Reel (TR)", Pricing 1="5000=0.00427, 10000=0.00371, 25000=0.00326, 50000=0.00299, 125000=0.00293 (CAD)", RoHS="RoHS Compliant", Size / Dimension="0.122\" L x 0.063\" W (3.10mm x 1.60mm)", Stock 1=20000, Supplier 1=Digi-Key
R25 R26 R30 R33 R62: library part ERJ-3GEYJ102V, "RES 1.0K OHM 1/10W 5% 0603 SMD", Manufacturer="Panasonic Electronic Components", Package / Case="0603 (1608 Metric)", Power (Watts)="0.1W, 1/10W", Resistance (Ohms)=1k, Supplier Part Number 1=P1.0KGTR-ND, Temperature Coefficient=±200ppm/°C, Tolerance=±5%, Category=Resistors, ComponentLink1Description=http://industrial.panasonic.com/www-cgi/jvcr13pz.cgi?E+PZ+3+AOA0001+ERJ3GEYJ102V+7+WW, ComponentLink1URL=http://industrial.panasonic.com/www-cgi/jvcr13pz.cgi?E+PZ+3+AOA0001+ERJ3GEYJ102V+7+WW, Composition="Thick Film", Features=-, Height="0.022\" (0.55mm)", Manufacturer Part Number=ERJ-3GEYJ102V, Number of Terminations=2, OPI_VID=101077, Packaging="Tape & Reel (TR)", Pricing 1="5000=0.00172, 10000=0.00149, 25000=0.00131, 50000=0.0012, 125000=0.00118 (CAD)", RoHS="RoHS Compliant", Size / Dimension="0.063\" L x 0.031\" W (1.60mm x 0.80mm)", Stock 1=14380000, Supplier 1=Digi-Key
R27 R28 R40 R41 R47 R60 R66: library part ERJ-3GEYJ101V, "RES 100 OHM 1/10W 5% 0603 SMD", Manufacturer="Panasonic Electronic Components", Package / Case="0603 (1608 Metric)", Power (Watts)="0.1W, 1/10W", Resistance (Ohms)=100, Supplier Device Package=0603, Supplier Part Number 1=P100GCT-ND, Temperature Coefficient=±200ppm/°C, Tolerance=±5%, Category 1=Resistors, ComponentLink1Description=http://industrial.panasonic.com/www-cgi/jvcr13pz.cgi?E+PZ+3+AOA0001+ERJ3GEYJ101V+7+WW, ComponentLink1URL=http://industrial.panasonic.com/www-cgi/jvcr13pz.cgi?E+PZ+3+AOA0001+ERJ3GEYJ101V+7+WW, Composition="Thick Film", Description 1="RES 100 OHM 1/10W 5% 0603 SMD", Features=-, Height="0.022\" (0.55mm)", Manufacturer Part Number=ERJ-3GEYJ101V, Number of Terminations=2, OPI_VID=101402, Packaging="Cut Tape (CT)", Pricing 1="1=0.13, 50=0.016, 100=0.0122, 250=0.00908, 500=0.0067, 1000=0.00447, 2500=0.00378 (CAD)", RoHS 1="RoHS Compliant", Size / Dimension="0.063\" L x 0.031\" W (1.60mm x 0.80mm)", Stock 1=1062394, Supplier 1=Digi-Key
R35 R36: library part ERJ-3EKF1004V, "RES 1.00M OHM 1/10W 1% 0603 SMD", Manufacturer="Panasonic Electronic Components", Package / Case="0603 (1608 Metric)", Power (Watts)="0.1W, 1/10W", Resistance (Ohms)=1M, Supplier Part Number 1=P1.00MHTR-ND, Temperature Coefficient=±100ppm/°C, Tolerance=±1%, Category=Resistors, ComponentLink1Description=http://industrial.panasonic.com/www-cgi/jvcr13pz.cgi?E+PZ+3+AOA0002+ERJ3EKF1004V+7+WW, ComponentLink1URL=http://industrial.panasonic.com/www-cgi/jvcr13pz.cgi?E+PZ+3+AOA0002+ERJ3EKF1004V+7+WW, Composition="Thick Film", Features=-, Height="0.022\" (0.55mm)", Manufacturer Part Number=ERJ-3EKF1004V, Number of Terminations=2, OPI_VID=101342, Packaging="Tape & Reel (TR)", Pricing 1="5000=0.00257, 10000=0.00224, 25000=0.00196, 50000=0.0018, 125000=0.00177 (CAD)", RoHS="RoHS Compliant", Size / Dimension="0.063\" L x 0.031\" W (1.60mm x 0.80mm)", Stock 1=1695000, Supplier 1=Digi-Key
R37 R65: library part ERJ-3EKF7153V, "RES 715K OHM 1/10W 1% 0603 SMD", Manufacturer="Panasonic Electronic Components", Package / Case="0603 (1608 Metric)", Power (Watts)="0.1W, 1/10W", Resistance (Ohms)=715k, Supplier Part Number 1=P715KHTR-ND, Temperature Coefficient=±100ppm/°C, Tolerance=±1%, Category=Resistors, ComponentLink1Description=http://industrial.panasonic.com/www-cgi/jvcr13pz.cgi?E+PZ+3+AOA0002+ERJ3EKF7153V+7+WW, ComponentLink1URL=http://industrial.panasonic.com/www-cgi/jvcr13pz.cgi?E+PZ+3+AOA0002+ERJ3EKF7153V+7+WW, Composition="Thick Film", Features=-, Height="0.022\" (0.55mm)", Manufacturer Part Number=ERJ-3EKF7153V, Number of Terminations=2, OPI_VID=101343, Packaging="Tape & Reel (TR)", Pricing 1="5000=0.00257, 10000=0.00224, 25000=0.00196, 50000=0.0018, 125000=0.00177 (CAD)", RoHS="RoHS Compliant", Size / Dimension="0.063\" L x 0.031\" W (1.60mm x 0.80mm)", Stock 1=210000, Supplier 1=Digi-Key
R38: library part ERJ-3EKF4323V, "RES 432K OHM 1/10W 1% 0603 SMD", Manufacturer="Panasonic Electronic Components", Package / Case="0603 (1608 Metric)", Power (Watts)="0.1W, 1/10W", Resistance (Ohms)=432k, Supplier Part Number 1=P432KHTR-ND, Temperature Coefficient=±100ppm/°C, Tolerance=±1%, Category=Resistors, ComponentLink1Description=http://industrial.panasonic.com/www-cgi/jvcr13pz.cgi?E+PZ+3+AOA0002+ERJ3EKF4323V+7+WW, ComponentLink1URL=http://industrial.panasonic.com/www-cgi/jvcr13pz.cgi?E+PZ+3+AOA0002+ERJ3EKF4323V+7+WW, Composition="Thick Film", Features=-, Height="0.022\" (0.55mm)", Manufacturer Part Number=ERJ-3EKF4323V, Number of Terminations=2, OPI_VID=101344, Packaging="Tape & Reel (TR)", Pricing 1="5000=0.00257, 10000=0.00224, 25000=0.00196, 50000=0.0018, 125000=0.00177 (CAD)", RoHS="RoHS Compliant", Size / Dimension="0.063\" L x 0.031\" W (1.60mm x 0.80mm)", Stock 1=75000, Supplier 1=Digi-Key
R39: library part ERJ-6GEYJ331V, "RES 330 OHM 1/8W 5% 0805 SMD", Manufacturer="KOA Speer Electronics", Manufacturer Part Number=RK73B2ATTD331J, Package / Case="0805 (2012 Metric)", Power (Watts)="0.125W, 1/8W", Resistance (Ohms)=330, Supplier Part Number 1=P330ATR-ND, Temperature Coefficient=±200ppm/°C, Tolerance=±5%, Category=Resistors, ComponentLink1Description=http://industrial.panasonic.com/www-cgi/jvcr13pz.cgi?E+PZ+3+AOA0001+ERJ6GEYJ331V+7+WW, ComponentLink1URL=http://industrial.panasonic.com/www-cgi/jvcr13pz.cgi?E+PZ+3+AOA0001+ERJ6GEYJ331V+7+WW, Composition="Thick Film", Features=-, Height="0.028\" (0.70mm)", Number of Terminations=2, OPI_VID=101386, Packaging="Tape & Reel (TR)", Pricing 1="5000=0.00304, 10000=0.00264, 25000=0.00232, 50000=0.00213, 125000=0.00208 (CAD)", RoHS="RoHS Compliant", Size / Dimension="0.079\" L x 0.049\" W (2.00mm x 1.25mm)", Stock 1=895000, Supplier 1=Digi-Key
R45: library part RPC2512JT12R0, "RES 12 OHM 1W 5% 2512", Manufacturer="Stackpole Electronics Inc", Package / Case="2512 (6432 Metric)", Power (Watts)=1W, Resistance (Ohms)=12, Supplier Device Package=2512, Supplier Part Number 1=RPC2512JT12R0TR-ND, Temperature Coefficient=±200ppm/°C, Tolerance=±5%, Category=Resistors, ComponentLink1Description=http://www.seielect.com/Catalog/SEI-RPC.pdf, ComponentLink1URL=http://www.seielect.com/Catalog/SEI-RPC.pdf, Composition="Thick Film", Features="Pulse Withstanding", Height="0.028\" (0.70mm)", Manufacturer Part Number=RPC2512JT12R0, Number of Terminations=2, OPI_VID=101463, Packaging="Tape & Reel (TR)", Pricing 1="4000=0.10578, 8000=0.10421, 12000=0.0999, 28000=0.09794, 100000=0.09598 (CAD)", RoHS="RoHS Compliant", Size / Dimension="0.250\" L x 0.126\" W (6.35mm x 3.20mm)", Stock 1=4000, Supplier 1=Digi-Key